# Altium PCB PacBot.PcbDoc
Units mil, origin at the board's own origin, x right, y up, seen from the top; angles counter-clockwise.
Board outline 4000 x 4900 mil, 2 copper layers (Top Layer, Bottom Layer); 23 components, 25 nets, 161 pads, 15 vias.
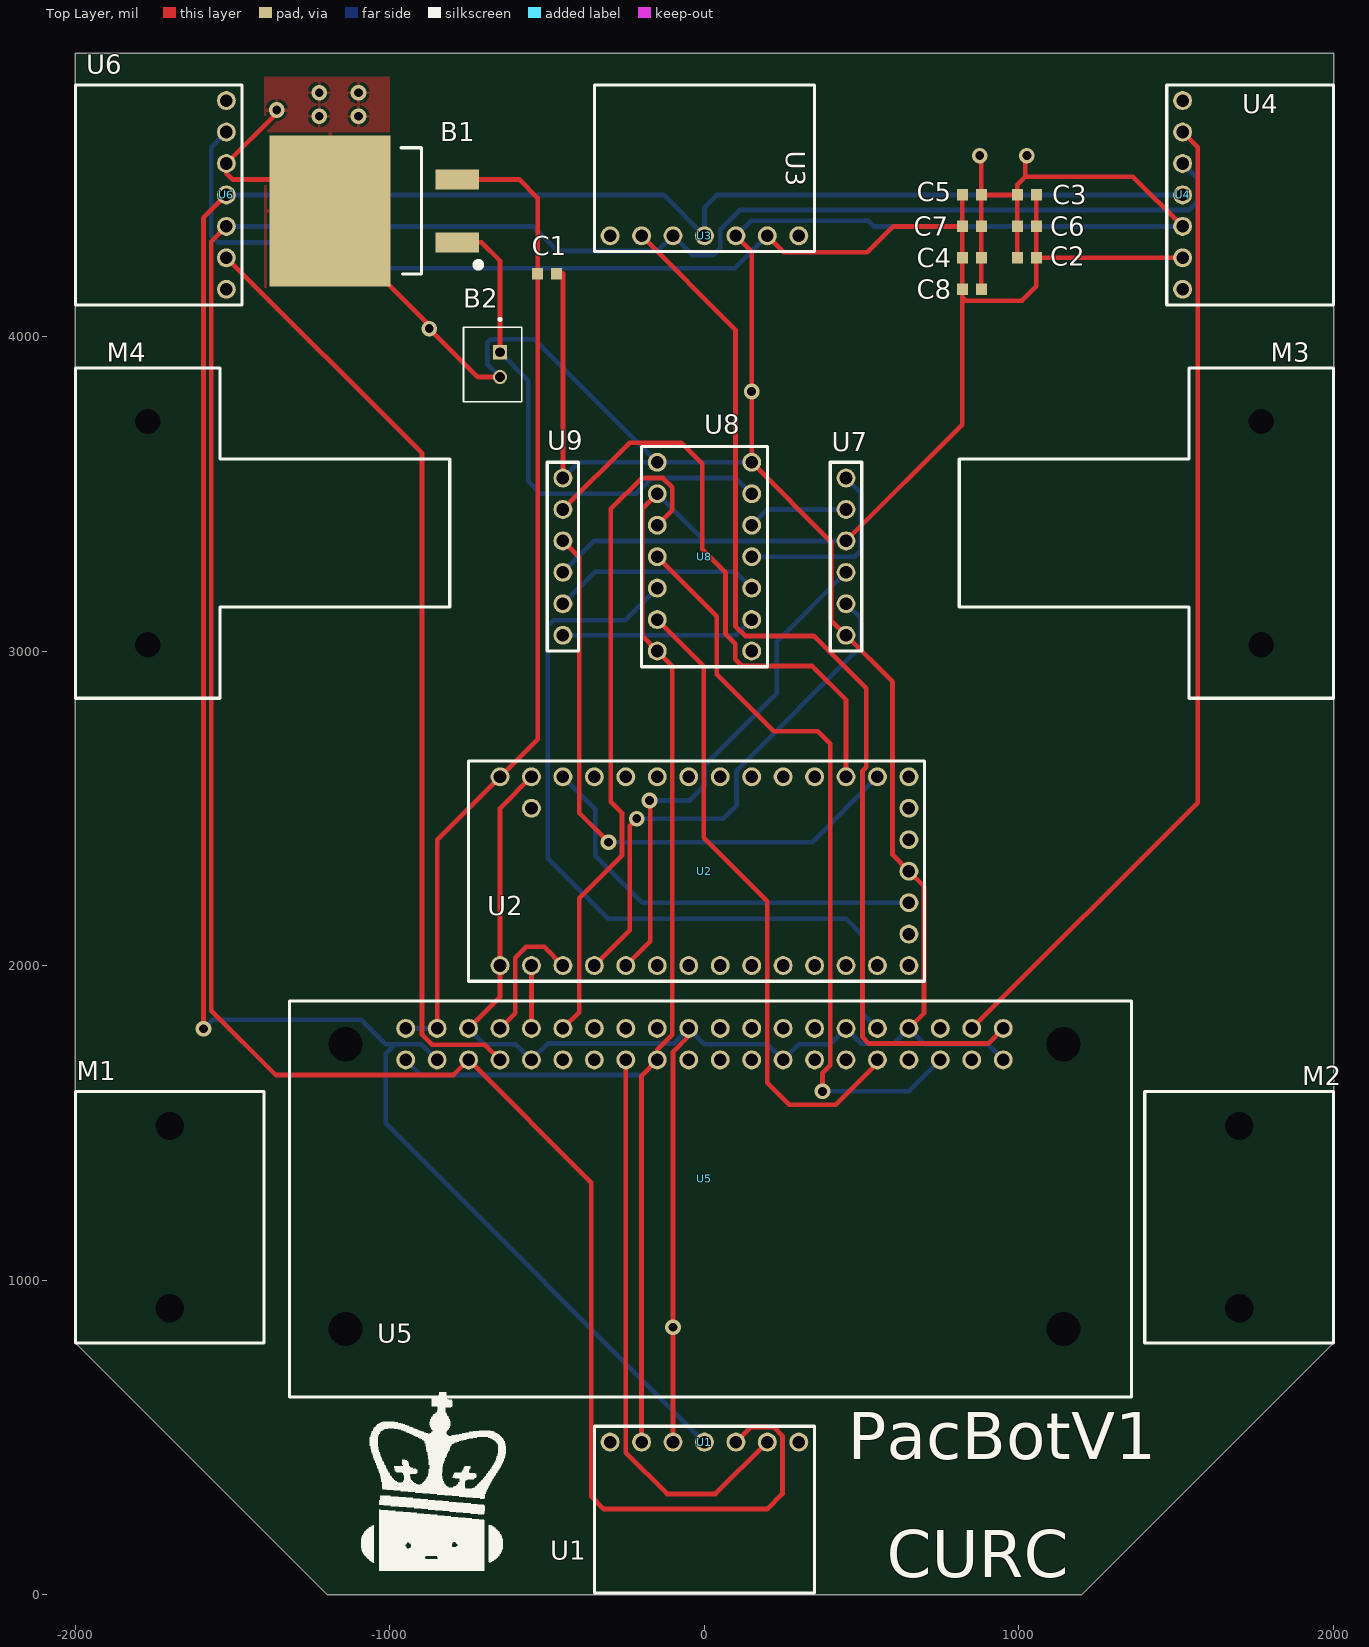
[diagram p0: Top Layer view]
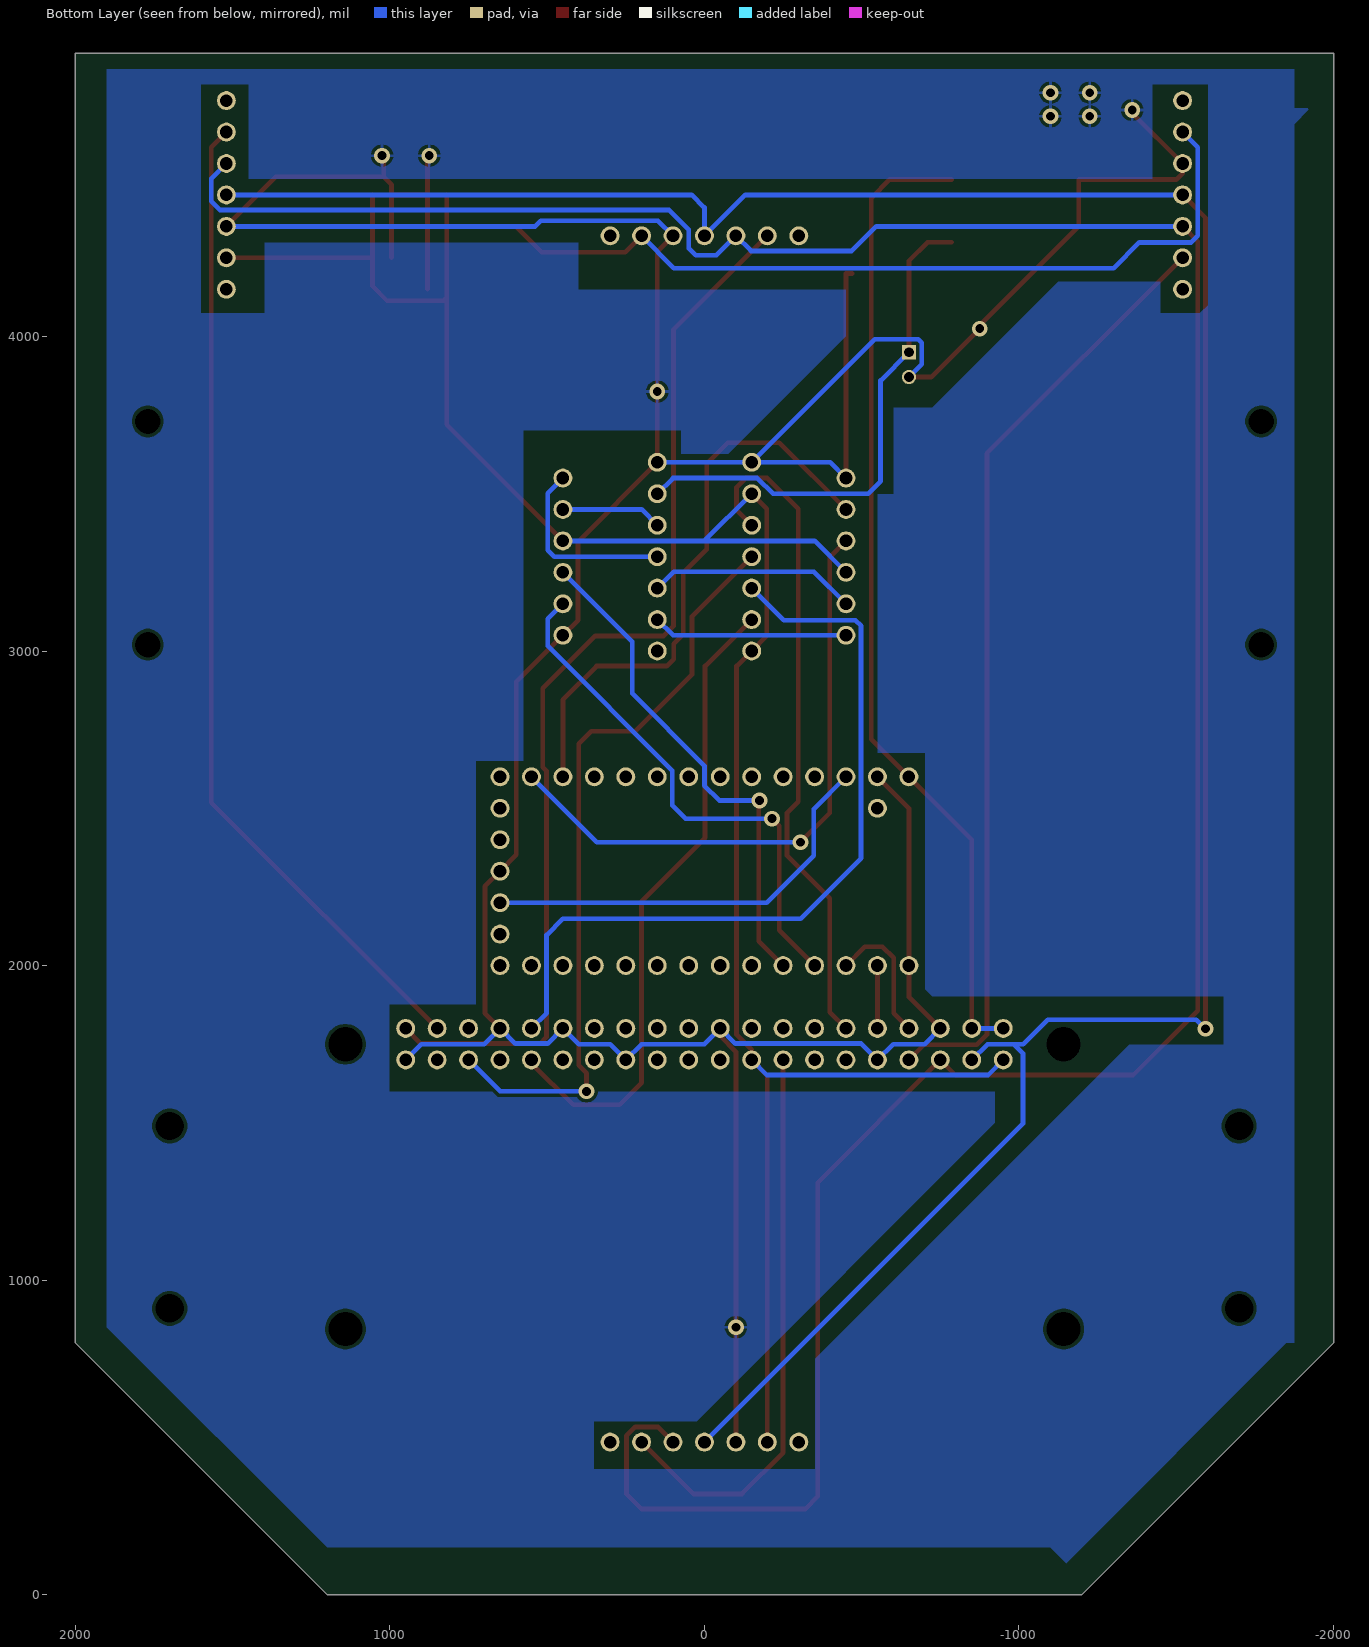
[diagram p1: Bottom Layer view, seen from below]
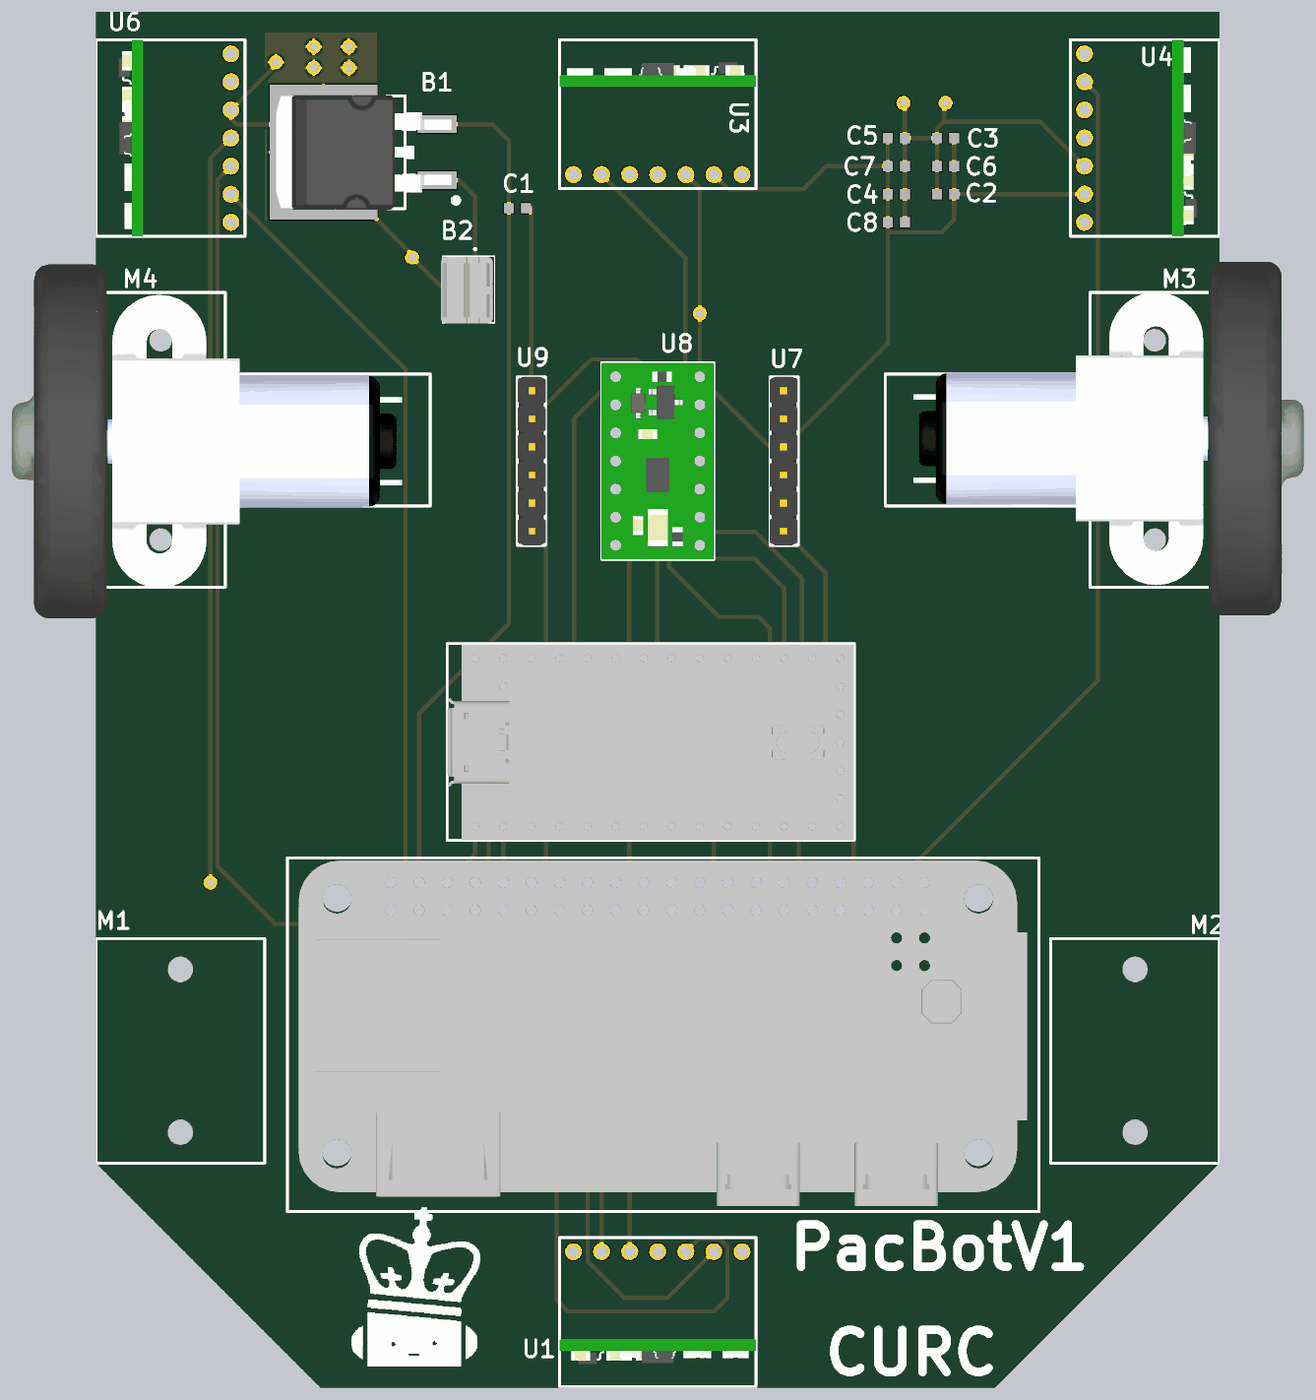
[diagram p2: 3D render of the assembled board from above, using the file's embedded part models]

## Layer stack, top to bottom
Top Solder: solder mask 0.4, Solder Resist, Dk 3.5
Top Layer: signal copper 1.4
Dielectric 1: dielectric 12.6, FR-4, Dk 4.8
Bottom Layer: signal copper 1.4
Bottom Solder: solder mask 0.4, Solder Resist, Dk 3.5

## Board outline
-1200,0 -2000,800 -2000,4900 2000,4900 2000,800 1200,0

## Design rules (kind name [scope] priority, off if disabled: settings)
Clearance [All] p1: gap=10 ignorepadtopadclearanceinfootprint=FALSE except(0: Arc-Hole Track-Hole SMDPad-Hole THPad-Hole Via-Hole Fill-Hole Poly-Hole Region-Hole Text-Hole)
PolygonConnect [All] p1: connectstyle=Relief reliefconductorwidth=10 reliefentries=4 polygonreliefangle="90 Angle" airgapwidth=10
RoutingVias [All] p1: holewidth=28 width=50 viastyle="Through Hole" minholewidth=28 minwidth=50 maxholewidth=28 maxwidth=50
SolderMaskExpansion [All] p1: expansion=4 istentingtop=FALSE
Width [All] p1: maxlimit=50 minlimit=10 preferedwidth=15
30 further rules are at their usual default settings.

## Components (designator, comment, footprint, x,y, rotation, side; value= is the part's Value field where it differs from the comment)
B1 "VOLTAGE REGULATOR 5V 1A" D2PAK-STB35NF10T4 -900,4600 r0 top locked
B2 "BATTERY CONNECTOR" TE_440054-2 -650,3950 r270 top locked
C1 "1UF CAP" CAPC1608X90N -500,4200 r0 top locked
C2 "1UF CAP" CAPC1608X90N 1025,4250 r180 top locked
C3 "1UF CAP" CAPC1608X90N 1025,4450 r180 top locked
C4 "1UF CAP" CAPC1608X90N 850,4250 r0 top locked
C5 "1UF CAP" CAPC1608X90N 850,4450 r0 top locked
C6 "1UF CAP" CAPC1608X90N 1025,4350 r0 top locked
C7 "1UF CAP" CAPC1608X90N 850,4350 r0 top locked
C8 "1UF CAP" CAPC1608X90N 850,4150 r0 top locked
M1 "Pololu Ball Caster with 1/2″ Metal Ball" Ball_Caster -1400,800 r90 top locked
M2 "Pololu Ball Caster with 1/2″ Metal Ball" Ball_Caster 2000,800 r90 top locked
M3 "MOTOR WITH MOUNTING BRACKET" MOTOR 2000,3900 r180 top locked
M4 "MOTOR WITH MOUNTING BRACKET" MOTOR -2000,2850 r0 top locked
U1 "IR CONN HEADER R/A HEADER MALE" VL6180X -350,5 r0 top locked
U2 "TEENSY40 33PINS" TEENSY40 700,1950 r90 top locked
U3 "IR CONN HEADER R/A HEADER MALE" VL6180X 350,4800 r180 top locked
U4 "IR CONN HEADER R/A HEADER MALE" VL6180X 2000,4100 r90 top locked
U5 "Raspberry Pi - Connector" RPY 1279.33,706.5 r90 top locked
U6 "IR CONN HEADER R/A HEADER MALE" VL6180X -2000.01,4800 r270 top locked
U7 "MAGNETIC ENCODER CONN" 61300611121 500,3000 r90 top locked
U8 "DUAL H-BRIDGE MOTOR DRIVER" DRV8835 -200,2950 r0 top locked
U9 "MAGNETIC ENCODER CONN" 61300611121 -500,3600 r270 top locked

## Footprints (in the part's own frame and the unit in brackets; to place one, negate y for a bottom-side part, rotate by r counter-clockwise, add the part's x,y. Pads: shape width x height; smd on the part's side, far side on the other; paste and mask are expansions set on the pad)
61300611121 [mil] "Pin Header, pitch 2.54 mm, THT, Vertical, single row, 6p"
  round 60 hole 40: GND(50,50) M1(550,50) M2(450,50) OUTA(250,50) OUTB(150,50) VCC(350,50)
  silkscreen extent 0,0 600,100, body extent 0,2 600,102, height 336
Ball_Caster [mil] "2_HOLES_W800MIL_L600MIL"
  round 10 hole 90: ""(110,300)
  round 50 hole 90: ""(690,300)
  silkscreen extent 0,0 800,600, body extent 0,0 800,600
CAPC1608X90N [mm]
  rect 0.89x0.93 smd: 1(-0.77,0) 2(0.77,0)
D2PAK-STB35NF10T4 [mm]
  rect 3.5x1.6 smd: 1(2.904,-7.64) 3(2.904,-2.56)
  rect 9.75x12.2 smd: 4(-7.371,-5.1)
  silkscreen extent -1.64,-10.2 4.82,0, body extent -10,-3.38 10,3.38, height 5.8
DRV8835 [mil] "14_PIN_W400MIL_H700MIL"
  round 60 hole 40: 1(350,50) 2(350,150) 3(350,250) 4(350,350) 5(350,450) 6(350,650) 7(50,450) 8(50,350) 9(50,250) 10(50,150) 11(50,50) 12(50,550) 13(350,550) 14(50,650)
  silkscreen extent 0,0 400,700, body extent 0,0 400,700, height 111
MOTOR [mil] "W460MIL_L1050MIL"
  round 60 hole 80: ""(230,880) ""(230,170)
  silkscreen extent 0,0 1190,1050, body extent -300,-110 1089,1150, height 830
RPY [mil] "40_PIN_W32MM_h68MM"
  round 60 hole 40: 1(993.5,2229.33) 2(1093.5,2229.33) 3(993.5,2129.33) 4(1093.5,2129.33) 5(993.5,2029.33) 6(1093.5,2029.33) 7(993.5,1929.33) 8(1093.5,1929.33) 9(993.5,1829.33) 10(1093.5,1829.33) 11(993.5,1729.33) 12(1093.5,1729.33) 13(993.5,1629.33) 14(1093.5,1629.33) 15(993.5,1529.33) 16(1093.5,1529.33) 17(993.5,1429.33) 18(1093.5,1429.33) 19(993.5,1329.33) 20(1093.5,1329.33) 21(993.5,1229.33) 22(1093.5,1229.33) 23(993.5,1129.33) 24(1093.5,1129.33) 25(993.5,1029.33) 26(1093.5,1029.33) 27(993.5,929.33) 28(1093.5,929.33) 29(993.5,829.33) 30(1093.5,829.33) 31(993.5,729.33) 32(1093.5,729.33) 33(993.5,629.33) 34(1093.5,629.33) 35(993.5,529.33) 36(1093.5,529.33) 37(993.5,429.33) 38(1093.5,429.33) 39(993.5,329.33) 40(1093.5,329.33)
  round 60 hole 108.27: MH(137.8,2421.26) MH(137.8,137.8) MH(1043.31,2421.26) MH(1043.31,137.8)
  silkscreen extent -79,-79 1181,2598, body extent -59,-36 1171,2559, height 189
TE_440054-2 [mm]
  rect 1.15x1.15 / inner round 1.15 / far side rect 1.15x1.15 hole 0.8: 1(0,0)
  round 1.15 hole 0.8: 2(2.007,0)
  silkscreen extent -2.75,-2.95 4.01,1.75, body extent -1.94,-3.11 4.06,1.59, height 6.1
TEENSY40 [mil] "33_PIN_W700MIL_H1450MIL"
  round 60 hole 40: 0(50,1250) 1(50,1150) 2(50,1050) 3(50,950) 3.3V(250,50) 3.3V(650,1150) 4(50,850) 5(50,750) 6(50,650) 7(50,550) 8(50,450) 9(50,350) 10(50,250) 11(50,150) 12(50,50) 13(650,50) 14(650,150) 15(650,250) 16(650,350) 17(650,450) 18(650,550) 19(650,650) 20(650,750) 21(650,850) 22(650,950) 23(650,1050) GND(50,1350) GND(350,50) GND(650,1250) ON/OFF(550,50) PROGRAM(450,50) VBAT(150,50) VIN(650,1350) VUSB(550,1250)
  silkscreen extent 0,0 700,1450, body extent 0,2 697,1448, height 164
VL6180X [mil] "7_PIN_W700MIL_L530MIL"
  round 60 hole 40: GND(250,480) GPIO0/CE(550,480) GPIO1(650,480) SCL(450,480) SDA(350,480) VDD(50,480) VIN(150,480)
  silkscreen extent 0,0 700,530, body extent 0,80 700,167, height 500

## Part data
B1: library part L7805ACD2T-TR, "Voltage Regulator 5V 1A D2PAK STMicroelectronics L78xx L7805ACD2T-TR, Single Linear Voltage Regulator, 1.5A 5 V, +/-2%, 3-Pin D2PAK", Manufacturer=STMicroelectronics, Mouser Part Number=511-L7805ACD2T-TR, Additional Material=None, Additional Material Link=None, ComponentLink1Description="Product URL", ComponentLink1URL=https://www.mouser.com/ProductDetail/STMicroelectronics/L7805ACD2T-TR?qs=Ctxo64yJVFuOLXlPPZdJUQ%3D%3D, ComponentLink2Description="Additional Material Link", ComponentLink2URL=None, Datasheet Link=http://www.st.com/web/en/resource/technical/document/datasheet/CD00000444.pdf, Manufacture Number=L7805ACD2T-TR, Mouser Price/Stock=https://www.mouser.co.uk/ProductDetail/STMicroelectronics/L7805ACD2T-TR?qs=Ctxo64yJVFuOLXlPPZdJUQ%3D%3D, Product URL=https://www.mouser.com/ProductDetail/STMicroelectronics/L7805ACD2T-TR?qs=Ctxo64yJVFuOLXlPPZdJUQ%3D%3D
B2: library part 440054-2, "HPI Series; 2mm Pitch 2 Way 1 Row Straight PCB Header; Solder Termination; 3A", Manufacturer="TE Connectivity", Package=None, Additional Material="2xfemale dupont wire", Additional Material Link=https://www.pololu.com/category/298/ribbon-cable-premium-jumper-wires, Availability="In Stock", Check_prices=https://www.snapeda.com/parts/440054-2/TE+Connectivity+AMP+Connectors/view-part/?ref=eda, ComponentLink1Description="Product URL", ComponentLink1URL=https://www.te.com/usa-en/product-440054-2.html, ComponentLink2Description="Additional Material Link", ComponentLink2URL=https://www.pololu.com/category/298/ribbon-cable-premium-jumper-wires, EU_RoHS_Compliance=Compliant, Manufacture Number=440054-2, MP=440054-2, Price=None, Product URL=https://www.te.com/usa-en/product-440054-2.html, Purchase-URL=https://pricing.snapeda.com/search/part/440054-2/?ref=eda, SnapEDA_Link=https://www.snapeda.com/parts/440054-2/TE+Connectivity+AMP+Connectors/view-part/?ref=snap
C1 C2 C3 C4 C5 C6 C7 C8: library part GRM188R60J105KA01D, "SMD Capacitor X5R(EIA) with Capacitance: 1.0uF Tol. 10%. Rated Voltage: 6.3Vdc", Manufacturer="Murata Electronics", Package="1608 Murata", Additional Material=None, Additional Material Link=None, ComponentLink1Description="Product URL", ComponentLink1URL=https://www.digikey.com/en/products/detail/GRM188R60J105KA01D/490-1550-1-ND/587755?curr=usd&utm_campaign=buynow&utm_medium=aggregator&utm_source=octopart, ComponentLink2Description="Additional Material Link", ComponentLink2URL=None, Digi-Key_Part_Number=490-1550-1-ND, DigiKey-Purchase-URL=https://snapeda.com/shop?store=DigiKey&id=341022, Manufacture Number=GRM188R60J105KA01D, Product URL=https://www.digikey.com/en/products/detail/GRM188R60J105KA01D/490-1550-1-ND/587755?curr=usd&utm_campaign=buynow&utm_medium=aggregator&utm_source=octopart, SnapEDA_Link=https://www.snapeda.com/parts/GRM188R60J105KA01D/Murata%20Electronics%20North%20America/view-part/341022/?ref=snap
M1 M2: library part Ball_Caster, "This ball caster uses a 1/2″ diameter metal ball. The height of the assembled kit ranges from 0.5″ to 0.8″, depending on the combination of included spacers used.", Manufacture Number=953, Manufacturer=Pololu, Additional Material="2*M2 screws and nuts for each ball caster", Additional Material Link=None, ComponentLink1Description="Product URL", ComponentLink1URL=https://www.pololu.com/product/953/resources, ComponentLink2Description="Additional Material Link", ComponentLink2URL=None, Product URL=https://www.pololu.com/product/953/resources
M3 M4: library part MOTOR, Manufacture Number=2379, Manufacturer=Pololu, Additional Material="Pololu Micro Metal Gearmotor Bracket Pair - Black", Additional Material Link=https://www.pololu.com/product/989/resources, Product URL=https://www.pololu.com/product/2379/resources
U1 U3 U4 U6: library part VL6180X, "This sensor is a carrier/breakout board for ST’s VL6180X proximity and ambient light sensor, which measures the range to a target object up to 20 cm away (or 60 cm with reduced resolution). The VL6180X uses time-of-flight measurements of infrared pulses for ranging, allowing it to give accurate results independent of the target’s color and surface. Distance and ambient light level measurements can be read through a digital I²C interface. The board has a 2.8 V linear regulator and integrated level-shifters that allow it to work over an input voltage range of 2.7 V to 5.5 V, and the 0.1″ pin spacing makes it easy to use with standard solderless breadboards and 0.1″ perfboards.", Manufacturer=Digi-Key, Manufacturer Number=2057-PH1RB-14-UA-ND, Additional Material="7-Pin R/A Male headers per IR", Additional Material Link=https://www.digikey.com/en/products/detail/adam-tech/PH1RB-14-UA/9831063?utm_adgroup=Rectangular%20Connectors%20-%20Headers%2C%20Male%20Pins&utm_source=google&utm_medium=cpc&utm_campaign=Shopping_Product_Connectors%2C%20Interconnects_NEW&utm_term=&utm_content=Rectangular%20Connectors%20-%20Headers%2C%20Male%20Pins&gclid=CjwKCAjw_MqgBhAGEiwAnYOAejAbtTqXabENRAXP2u8fN9nntNeUbVp1pwD-yYO_9saqioDVWyq7vhoCJtIQAvD_BwE, ComponentLink1Description=datasheet, ComponentLink1URL=https://www.st.com/resource/en/datasheet/vl6180x.pdf, ComponentLink2Description="Product URL", ComponentLink2URL=https://www.pololu.com/product/2489/resources, ComponentLink3Description="Additional Material Link", ComponentLink3URL=https://www.digikey.com/en/products/detail/adam-tech/PH1RB-14-UA/9831063?utm_adgroup=Rectangular%20Connectors%20-%20Headers%2C%20Male%20Pins&utm_source=google&utm_medium=cpc&utm_campaign=Shopping_Product_Connectors%2C%20Interconnects_NEW&utm_term=&utm_content=Rectangular%20Connectors%20-%20Headers%2C%20Male%20Pins&gclid=CjwKCAjw_MqgBhAGEiwAnYOAejAbtTqXabENRAXP2u8fN9nntNeUbVp1pwD-yYO_9saqioDVWyq7vhoCJtIQAvD_BwE, Product URL=https://www.pololu.com/product/2489/resources
U2: library part TEENSY40, "Teensy USB Board, Version 4.0. 32 bits arduino compatible microcontroller", Manufacturer="PJRC Store", Additional Material="33-Pin male headers per Teensy", Additional Material Link=https://www.pololu.com/product/965, ComponentLink1Description="Product URL", ComponentLink1URL=https://www.pjrc.com/store/teensy40.html, ComponentLink2Description="Additional Material Link", ComponentLink2URL=https://www.pololu.com/product/965, Manufacture Number=TEENSY40, Product URL=https://www.pjrc.com/store/teensy40.html
U5: library part RPY, "RASPBERRYPI GPIO MALE HEADER", Manufacture Number=474-PRT-14275, Manufacturer=Mouser, Additional Material="40-Pin RaspberryPi GPIO header per PI", Additional Material Link=https://www.digikey.com/en/products/detail/PRT-14275/1568-1675-ND/7428264?curr=usd&utm_campaign=buynow&utm_medium=aggregator&utm_source=octopart, ComponentLink1Description="Product URL", ComponentLink1URL=https://www.raspberrypi.com/products/raspberry-pi-zero-w/, ComponentLink2Description="Additional Material Link", ComponentLink2URL=https://www.digikey.com/en/products/detail/PRT-14275/1568-1675-ND/7428264?curr=usd&utm_campaign=buynow&utm_medium=aggregator&utm_source=octopart, Product URL=https://www.raspberrypi.com/products/raspberry-pi-zero-w/
U7 U9: library part CMP-1502-01070-1, "THT Vertical Pin Header WR-PHD, Pitch 2.54 mm, Single Row, 6 pins", Contact Resistance=20mOhm, Manufacture Number=61300611121, Manufacturer="Wurth Elektronik", Operating Temperature=-40to105degC, Rated Current=3A, Withstanding Voltage=500VAC, Working Voltage=250VAC, Additional Material="6*female dupont wire per header", Additional Material Link=https://www.pololu.com/category/298/ribbon-cable-premium-jumper-wires, ComponentLink1Description="Product URL", ComponentLink1URL=https://www.digikey.com/en/products/detail/w%C3%BCrth-elektronik/61300611121/4846833?utm_adgroup=Rectangular%20Connectors%20-%20Headers%2C%20Male%20Pins&utm_source=google&utm_medium=cpc&utm_campaign=Shopping_Product_Connectors%2C%20Interconnects_NEW&utm_term=&utm_content=Rectangular%20Connectors%20-%20Headers%2C%20Male%20Pins&gclid=Cj0KCQiApKagBhC1ARIsAFc7Mc4_cjqnefrDzrpu3JapJRnikEceUeu0HkZKl_cbgEqDj7lyXJ1YyUwaAuZSEALw_wcB, ComponentLink2Description="Additional Material Link", ComponentLink2URL=https://www.pololu.com/category/298/ribbon-cable-premium-jumper-wires, Datasheet URL=https://katalog.we-online.de/em/datasheet/6130xx11121.pdf, Gender=Male, Manufacturer URL=http://www.we-online.de, Mounting Technology=THT, Orientation=Vertical, Package Reference=61300611121, Packaging=Bag, Pin Number=6, Pitch=2.54mm, Product URL=https://www.digikey.com/en/products/detail/w%C3%BCrth-elektronik/61300611121/4846833?utm_adgroup=Rectangular%20Connectors%20-%20Headers%2C%20Male%20Pins&utm_source=google&utm_medium=cpc&utm_campaign=Shopping_Product_Connectors%2C%20Interconnects_NEW&utm_term=&utm_content=Rectangular%20Connectors%20-%20Headers%2C%20Male%20Pins&gclid=Cj0KCQiApKagBhC1ARIsAFc7Mc4_cjqnefrDzrpu3JapJRnikEceUeu0HkZKl_cbgEqDj7lyXJ1YyUwaAuZSEALw_wcB, Publisher=WurthElektronik, Row Number=Single
U8: library part DRV8835, "Texas Instruments’ DRV8835 is a tiny dual H-bridge motor driver IC that can be used for bidirectional control of two brushed DC motors at 0 V to 11 V.", Manufacture Number=2135, Manufacturer=Pololu, Additional Material="2*7-pin 0.1'' male headers per unit", Additional Material Link=https://www.pololu.com/product/965, ComponentLink1Description="Product URL", ComponentLink1URL=https://www.pololu.com/product/2135/specs, ComponentLink2Description="Additional Material Link", ComponentLink2URL=https://www.pololu.com/product/965, Product URL=https://www.pololu.com/product/2135/specs

## Via types
v1: diameter 50, hole 28, Top Layer to Bottom Layer, 15 vias

## Nets (pads, with @x,y where several pads share a name; then routed paths per layer and width w, separated by ;. In a path a pad name is that pad's centre, name@x,y a point inside that pad or via, vN(x,y) a via of type N, cw(c..) or ccw(c..) an arc to the next point about the centre after c; other vN are vias at no path point)
+3.3: C2.1 C3.1 C4.1 C5.1 C6.2 C7.1 C8.1 U1.VIN U3.VIN U4.VIN U5.1 U5.17 U6.VIN U7.VCC U8.11 U8.12 U9.VCC | length 10253.7
  Top Layer w15: U1.VIN -200,1650 U5.17 -150,1732.5 -102,1780.5 -102,2952 U8.11 -198,3048 -198,3452 U8.12 ; U3.VIN 252,4268 518,4268 600,4350 C7.1 ; U7.VCC 819.69,3719.69 819.69,4124.31 ; C5.1 C7.1 ; C3.1 C6.2 C2.1 ; U4.VIN C2.1 ; 819.69,4124.31 C8.1 C4.1 C7.1 ; 819.69,4124.31 830,4114 1009.32,4114 1055.32,4160 C2.1
  Bottom Layer w15: U6.VIN -1568,4602.01 -1568,4320 -1547,4299 -1383,4299 -1301,4217 97,4217 U3.VIN ; U5.1 -902,1652 -198,1652 U5.17 ; U9.VCC -350,3350 0,3350 ; U8.12 0,3350 ; U7.VCC 0,3350
+5: B1.3 C1.1 U2.VIN U5.2 U5.4 | length 3152.3
  Top Layer w15: U5.4 -850,2400 U2.VIN -530.31,2719.69 C1.1 -530.31,4440 -589.53,4499.21 B1.3
  Bottom Layer w15: U5.2 U5.4
AEN: U5.32 U8.9 | length 2554.6
  Bottom Layer w15: U8.9 -252,3098 -480,3098 -498,3080 -498,2341.01 -305.99,2149 450,2149 502,2097 502,1848 U5.32
AOUT1: U8.2 U9.M1 | length 620.7
  Bottom Layer w15: U9.M1 100,3050 U8.2
AOUT2: U8.3 U9.M2 | length 663.8
  Bottom Layer w15: U9.M2 -348,3252 98,3252 U8.3
APH: U5.31 U8.10 | length 2061.7
  Top Layer w15: U8.10 -2,2952 -2,2406 200,2204 200,1627 269.5,1557.5 417.6,1557.5 550,1689.9 U5.31
BEN: U5.12 U8.7 | length 2133.3
  Top Layer w15: U5.12 -398,1852 -398,2214 -262.5,2349.5 -262.5,2485.79 -298,2521.29 -298,3452 -200,3550 -132,3550 -102,3520 -102,3448 U8.7
BOUT1: U7.M1 U8.4 | length 606.2
  Bottom Layer w15: U8.4 478,3300 498,3320 498,3502 U7.M1
BOUT2: U7.M2 U8.5 | length 320.7
  Bottom Layer w15: U8.5 200,3450 U7.M2
BPH: U5.35 U8.8 | length 2436.6
  Top Layer w15: U8.8 39.5,3110.5 39.5,2925.5 220,2745 360,2745 400,2705 400,1682.82 375,1657.82 v1(375,1600)
  Bottom Layer w15: v1(375,1600) 650,1600 U5.35
GND: B1.4 B2.2 C1.2 C2.2 C3.2 C4.2 C5.2 C6.1 C7.2 C8.2 U1.GND U2.GND U3.GND U4.GND U5.6 U5.9 U5.20 U5.25 U5.30 U5.34 U5.39 U6.GND U7.GND U8.6 U8.14 U9.GND | length 13467.4
  Top Layer w15: v1(-1360,4720) -1360,4710 U6.GND -1520.01,4519.01 -1500,4499 -1190.2,4499 -1190.2,4350.98 -881.7,4042.48 -881.7,4031.7 -720.98,3870.98 B2.2 ; U5.6 -650,1900 -650,2000 -650,2500 U2.GND@-550,2600 ; C1.2 -450,4200 U9.GND ; U1.GND -100,1726 -50,1776 U5.20 ; U3.GND 150,4270 U8.6 402,3348 402,3098 U7.GND 598,2902 598,2352 650,2300 698,2252 698,1848 U5.34 ; v1(875,4575) 880.32,4569.68 C5.2 ; C8.2 C4.2 C7.2 C5.2 ; C2.2 C6.1 C3.2 ; v1(1025,4575) 1020,4570 1020,4507.69 ; U4.GND 1362.31,4507.69 1020,4507.69 ; C5.2 C3.2 ; C3.2 994.69,4482.37 1020,4507.69
  Bottom Layer w15: U5.6 -700,1750 -600,1750 U5.9 -498,1752 -98,1752 U5.20 0,1750 200,1750 U5.25 300,1750 400,1750 U5.30 498,1752 602,1752 U5.34 700,1750 900,1750 U5.39 ; B2.2 -691,3911.98 -691,3980 -680,3991 -541,3991 U8.14 ; U9.GND -400,3600 U8.14 ; U3.GND 148,4368 520,4368 538,4350 U4.GND ; U8.6 U8.14
  other v1: -100,850 150,3825 -875,4025 -1225,4700 -1100,4700 -1225,4775 -1100,4775
IRA_EN: U1.GPIO0/CE U5.15 | length 1821.6
  Top Layer w15: U5.15 -250,451 -119,320 35,320 U1.GPIO0/CE
IRB_EN: U3.GPIO0/CE U5.40 | length 3451.4
  Top Layer w15: U3.GPIO0/CE 98.5,4021.5 98.5,3079 129.5,3048 347,3048 514,2881 514,2631.18 502.5,2619.68 502.5,1772.29 522.79,1752 902,1752 U5.40
IRC_EN: U4.GPIO0/CE U5.38 | length 3167.3
  Top Layer w15: U5.38 1568,2518 1568,4602 U4.GPIO0/CE
IRD_EN: U5.7 U6.GPIO0/CE | length 3008.8
  Top Layer w15: U6.GPIO0/CE -898,3627.99 -898,1780 -866,1748 -698,1748 U5.7
L_EN_A: U2.3 U7.OUTA | length 1617
  Top Layer w15: U2.3 -172.5,2077.5 -172.5,2522.5 v1(-175,2525)
  Bottom Layer w15: v1(-175,2525) -47,2525 0,2572 0,2635 230,2865 230,3030 U7.OUTA
L_EN_B: U2.2 U7.OUTB | length 1682.2
  Top Layer w15: U2.2 -237.44,2112.56 -237.44,2444.56 v1(-215,2467)
  Bottom Layer w15: v1(-215,2467) 60,2467 102,2509 102,2620 498,3016 498,3102 U7.OUTB
obsolete: U2.3.3V | length 1352.4
  Bottom Layer w15: U2.3.3V@-450,2600 -347.5,2497.5 -347.5,2349.5 -198,2200 U2.3.3V@650,2200
R_EN_A: U2.14 U9.OUTA | length 1959.2
  Top Layer w15: U9.OUTA -398,3298 -398,2485 v1(-305,2392)
  Bottom Layer w15: v1(-305,2392) 342,2392 U2.14
R_EN_B: U2.15 U9.OUTB | length 1873.5
  Top Layer w15: U9.OUTB -238,3662 -74,3662 -7,3595 -7,3323 67,3249 67,3054 98,3023 98,2974 120,2952 343,2952 450,2845 U2.15
RX: U2.0 U5.10 | length 200
  Top Layer w15: U5.10 U2.0
SCL: U1.SCL U3.SCL U4.SCL U5.5 U6.SCL | length 9406.3
  Top Layer w15: U6.SCL -1568,4302.01 -1568,1857 -1363,1652 -798,1652 U5.5 -360,1310 -360,312 -320,272 200,272 248,320 248,505 220,533 148,533 U1.SCL
  Bottom Layer w15: U6.SCL -546,4350 -468,4272 -148,4272 U3.SCL -38,4258 28,4258 50,4280 50,4340 112,4402 1540,4402 1568,4430 1568,4502 U4.SCL
SDA: U1.SDA U3.SDA U4.SDA U5.3 U6.SDA | length 8386.7
  Top Layer w15: v1(-1593,1799) -1593,4377.01 U6.SDA
  Bottom Layer w15: v1(-1593,1799) -1564,1828 -1091,1828 -1013,1750 -983,1750 ; U6.SDA -130,4450 U3.SDA 0,4410 40,4450 U4.SDA ; U5.3 -900,1750 -983,1750 ; U1.SDA -1013,1498 -1013,1720 -983,1750
TX: U2.1 U5.8 | length 435.6
  Top Layer w15: U5.8 -602,1848 -602,2024 -566,2060 -510,2060 U2.1
VBAT: B1.1 B2.1 U8.13 | length 1665.5
  Top Layer w15: B1.1 -709.21,4299.21 -650,4240 B2.1
  Bottom Layer w15: B2.1 -560,3860 -560,3540 -520,3500 -218,3500 -168,3550 100,3550 U8.13
pads on no net: M1. M2. M3. M4. U1.GPIO1 U1.VDD U2.4 U2.5 U2.6 U2.7 U2.8 U2.9 U2.10 U2.11 U2.12 U2.13 U2.16 U2.17 U2.18 U2.19 U2.20 U2.21 U2.22 U2.23 U2.ON/OFF U2.PROGRAM U2.VBAT U2.VUSB U3.GPIO1 U3.VDD U4.GPIO1 U4.VDD U5.11 U5.13 U5.14 U5.16 U5.18 U5.19 U5.21 U5.22 U5.23 U5.24 U5.26 U5.27 U5.28 U5.29 U5.33 U5.36 U5.37 U5.MH U6.GPIO1 U6.VDD U8.1

## Polygon pours and split planes (outlines as drawn)
GND on Bottom Layer "GND" (solid, pour order 0): -1600,4800 -1425,4800 -1425,4500 1450,4500 1450,4800 1600,4800 1600,4075 1400,4075 1400,4300 400,4300 400,4150 -450,4150 -450,4000 -75,3625 75,3625 75,3700 575,3700 575,2650 725,2650 725,1875 1000,1875 1000,1600 -925,1600 -925,1500 25,550 350,550 350,400 -350,400 -350,750 -1350,1750 -1650,1750 -1650,1900 -725,1900 -700,1925 -700,2675 -550,2675 -550,3500 -600,3500 -600,3775 -725,3775 -1125,4175 -1450,4175 -1450,4075 -1575,4075 -1600,4100 -1600,4725 -1925,4725 -1875,4675 -1875,800 -1850,800 -1150,100 -1100,150 1200,150 1900,850 1900,4850 -1875,4850 -1875,4725 -1600,4725
GND on Top Layer "GND" (solid, pour order 1): -1400,4825 -1000,4825 -1000,4150 -1400,4150

## Silkscreen, mask and mechanical layers (free items; w line width, h text height)
Top Overlay:
  drawing of 5 lines, arcs and shapes, not listed
  text "PacBotV1" at 455,430 h150
  text "CURC" at 580,55 h150